# Altium PCB kunpeng_alpha.PcbDoc (part 1 of 2) (continued)
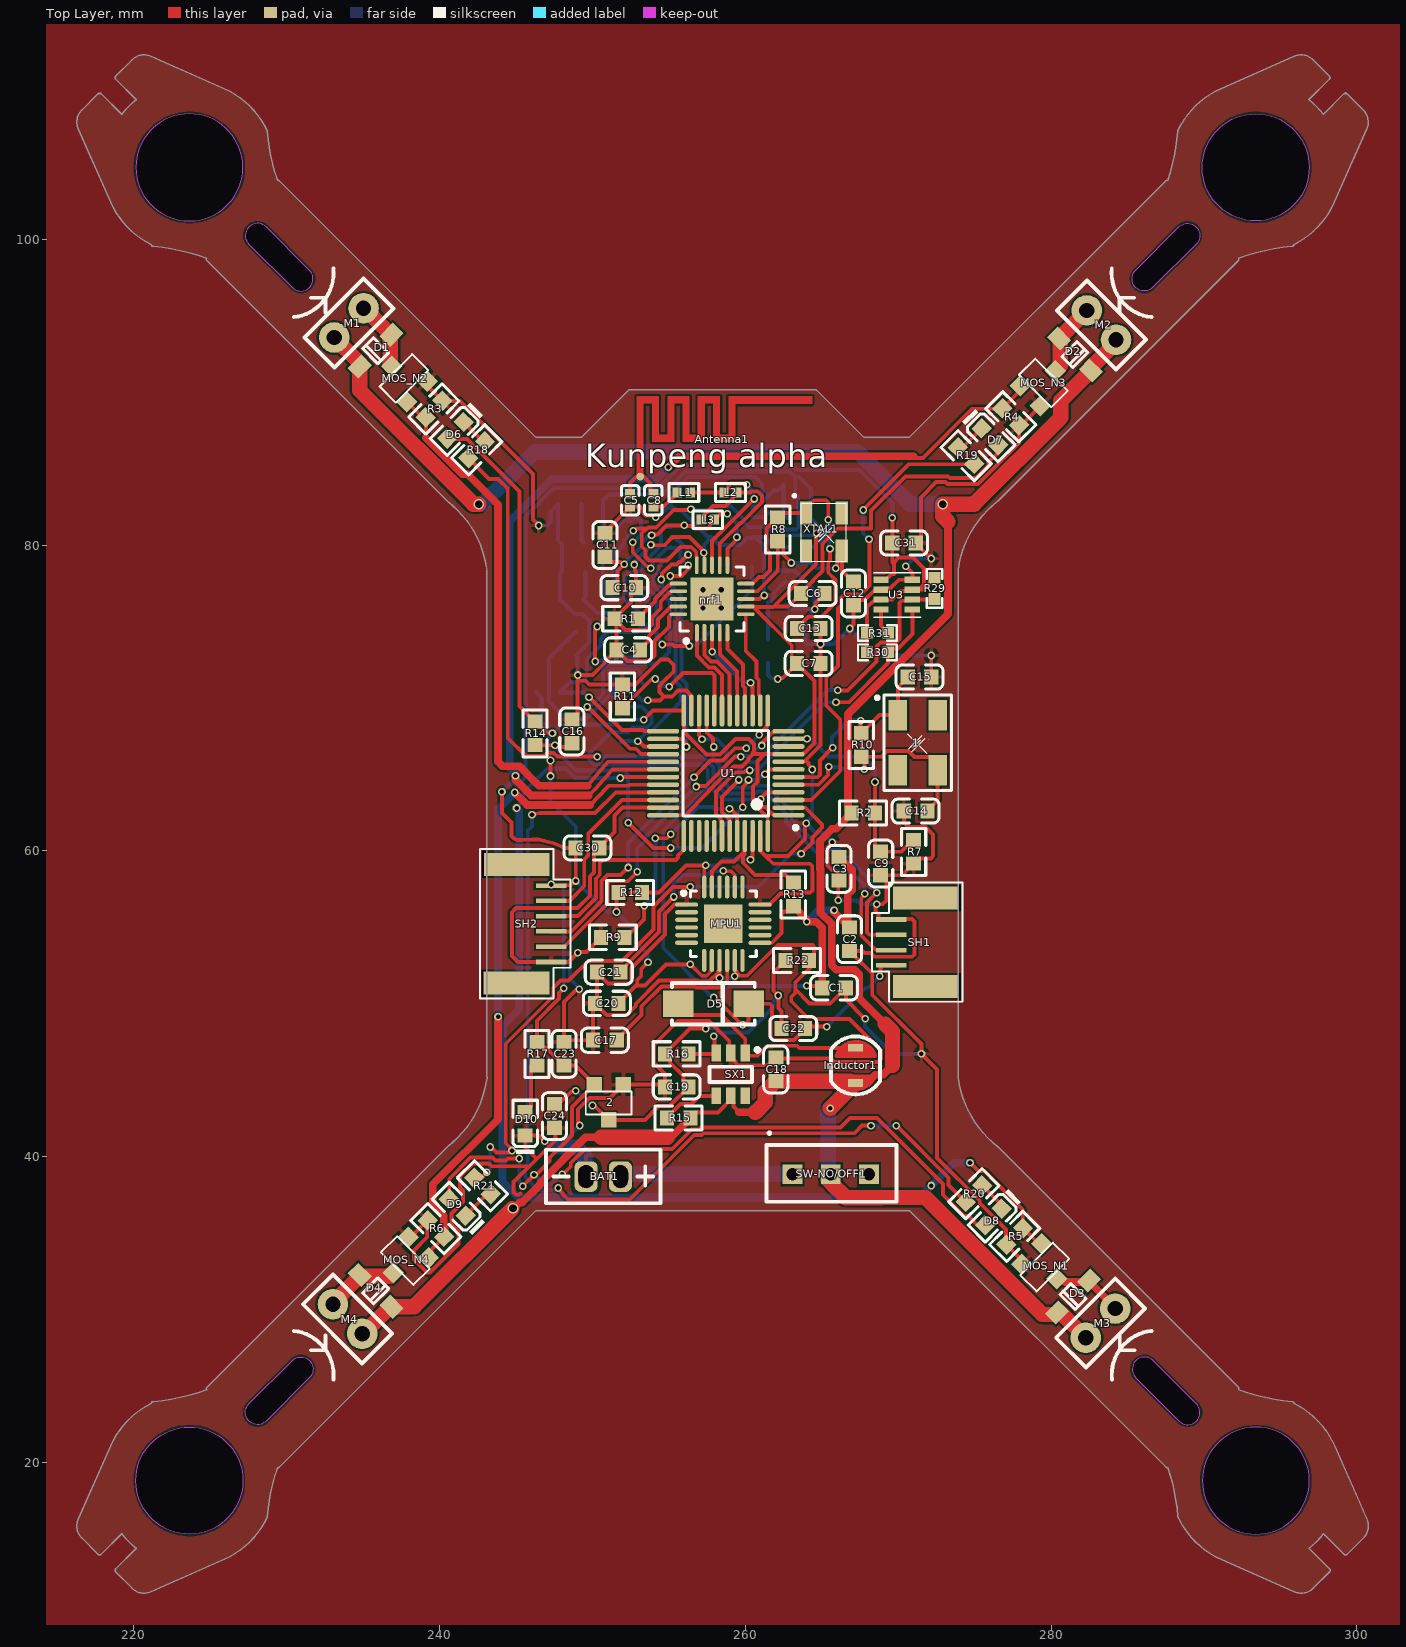
[diagram p0: Top Layer view]
## Components (designator, comment, footprint, x,y, rotation, side; value= is the part's Value field where it differs from the comment)
1 "5032-8MHZ" 5032-8MHZ 271.653,67.31 r270 top
2 "662K-3.3V(SOT-23-3)" SOT-23-3 251.46,43.815 r180 top
Antenna1 "Antenna" Antenna 255.397,86.106 r0 top
BAT1 "BAT" BAT 250.571,38.608 r180 top
C1 "1uF (105) 10% 50V" 0603_C 265.811,51.054 r180 top
C2 "100nF (104) 10% 50V" 0603_C 266.827,54.229 r90 top
C3 "10nF (103) 10% 50V" 0603_C 266.134,58.832 r90 top
C4 "33nF (333) 10% 50V" 0603_C 252.349,73.152 r180 top
C5 "1.5pF (1R5) 0.25pF 50V" 0402_C 252.476,82.931 r270 top
C6 "10uF (106) 10% 10V" 0603_C 264.414,76.835 r180 top
C7 "1nF (102) 10% 50V" 0603_C 264.152,72.263 r180 top
C8 "1.5pF (1R5) 0.25pF 50V" 0402_C 254,82.931 r90 top
C9 "100nF (104) 10% 50V" 0603_C 268.859,59.182 r90 top
C10 "2.2nF (222) 10% 50V" 0603_C 252.095,77.216 r180 top
C11 "4.7pF (4R7) 0.25pF 50V" 0603_C 250.825,80.01 r270 top
C12 "22pF (220) 5% 50V" 0603_C 267.081,76.835 r90 top
C13 "22pF (220) 5% 50V" 0603_C 264.152,74.549 r180 top
C14 "22pF (220) 5% 50V" 0603_C 271.145,62.611 r0 top
C15 "22pF (220) 5% 50V" 0603_C 271.399,71.374 r180 top
C16 "10uF (106) 10% 10V" 0603_C 248.666,67.818 r270 top
C17 "100nF (104) 10% 50V" 0603_C 250.825,47.625 r180 top
C18 "22uF (226) 20% 6.3V" 0603_C 262.001,45.72 r270 top
C19 "22uF (226) 20% 6.3V" 0603_C 255.524,44.577 r0 top
C20 "100nF (104) 10% 50V" 0603_C 250.952,50.038 r0 top
C21 "2.2nF (222) 10% 50V" 0603_C 251.079,52.07 r0 top
C22 "15pF (150) 5% 50V" 0603_C 263.144,48.387 r0 top
C23 "100nF (104) 10% 50V" 0603_C 248.158,46.736 r270 top
C24 "100nF (104) 10% 50V" 0603_C 247.523,42.672 r90 top
C25 "Cap" Cap 248.539,82.677 r0 bottom
C26 "Cap" Cap 248.666,80.137 r0 bottom
C27 "Cap" Cap 263.652,79.883 r180 bottom
C28 "Cap" Cap 263.271,83.947 r180 bottom
C29 "Cap" Cap 263.525,81.788 r180 bottom
C30 "104" 0603_C 249.682,60.198 r180 top
C31 "104" 0603_C 270.383,80.137 r180 top
C32 "Cap" Cap 248.92,73.533 r90 bottom
C33 "Cap" Cap 248.793,78.232 r0 bottom
C34 "Cap" Cap 248.666,76.454 r0 bottom
D1 "B5819W  SL" SOD-123 235.839,92.71 r45 top
D2 "B5819W  SL" SOD-123 281.559,92.456 r135 top
D3 "B5819W  SL" SOD-123 281.432,30.861 r45 top
D4 "B5819W  SL" SOD-123 235.839,31.242 r135 top
D5 "SMA/DO-214" SMA/DO-214 258.318,49.911 r0 top
D6 "红灯 0603" 0603_LED_S1 241.046,87.503 r225 top
D7 "绿灯 0603" 0603_LED_S1 276.007,87.086 r315 top
D8 "蓝灯 0603" 0603_LED_S1 276.225,36.068 r225 top
D9 "黄灯 0603" 0603_LED_S1 241.173,36.703 r135 top
D10 "红灯 0603" 0603_LED_S1 245.618,42.164 r90 top
Inductor1 "Inductor" CD32 267.208,45.974 r180 top
L1 "3.9nH 3%" 0402_L 255.988,83.439 r180 top
L2 "6.8nH 5%" 0402_L 259.036,83.439 r0 top
L3 "3.3nH 0.3nH" 0402_L 257.556,81.661 r180 top
LED1 "LED" LED-0603 261.798,77.072 r90 bottom
M1 "MOTO" MOTO 234.061,94.869 r45 top
M2 "MOTO" MOTO 282.956,94.361 r135 top
M3 "MOTO" MOTO 283.21,29.464 r45 top
M4 "MOTO" MOTO 233.658,29.37 r135 top
MOS_N1 "MOS_N" SOT-23-3 279.654,33.274 r225 top
MOS_N2 "MOS_N" SOT-23-3 237.617,90.424 r45 top
MOS_N3 "MOS_N" SOT-23-3 279.019,90.678 r315 top
MOS_N4 "MOS_N" SOT-23-3 238.252,33.147 r135 top
MPU1 "MPU6050" QFN24_4X4 259.004,55.448 r0 top
nrf1 "nrf24l01" QFN20_4X4 258.572,77.089 r90 top
R1 "22KΩ (2202) ±1%" 0603_R 252.222,75.184 r180 top
R2 "100KΩ (1003) ±1%" 0603_R 267.716,62.484 r180 top
R3 "10KΩ (1002) ±1%" 0603_R 239.649,88.9 r225 top
R4 "10KΩ (1002) ±1%" 0603_R 277.368,88.392 r135 top
R5 "10KΩ (1002) ±1%" 0603_R 277.622,34.798 r45 top
R6 "10KΩ (1002) ±1%" 0603_R 239.776,35.306 r315 top
R7 "100KΩ (1003) ±1%" 0603_R 271.018,59.944 r90 top
R8 "1MΩ (1004) ±1%" 0603_R 262.128,81.026 r90 top
R9 "10KΩ (1002) ±1%" 0603_R 251.341,54.356 r180 top
R10 "1MΩ (1004) ±1%" 0603_R 267.589,66.929 r270 top
R11 "10KΩ (1002) ±1%" 0603_R 251.968,70.104 r90 top
R12 "3.3KΩ (3301) ±1%" 0603_R 252.484,57.277 r180 top
R13 "3.3KΩ (3301) ±1%" 0603_R 263.144,57.15 r270 top
R14 "10KΩ (1002) ±1%" 0603_R 246.253,67.691 r90 top
R15 "100KΩ (1003) ±1%" 0603_R 255.651,42.545 r180 top
R16 "73.2KΩ (7502) ±1%" 0603_R 255.524,46.736 r180 top
R17 "330Ω (3300) ±1%" 0603_R 246.38,46.736 r90 top
R18 "330Ω (3300) ±1%" 0603_R 242.443,86.233 r45 top
R19 "330Ω (3300) ±1%" 0603_R 274.447,85.852 r135 top
R20 "330Ω (3300) ±1%" 0603_R 274.955,37.592 r45 top
R21 "330Ω (3300) ±1%" 0603_R 242.824,38.1 r315 top
R22 "10KΩ (1002) ±1%" 0603_R 263.398,52.832 r180 top
R23 "4.7K" RES-0603 261.493,73.025 r90 bottom
R24 "4.7K" RES-0603 247.142,70.358 r180 bottom
R25 "4.7K" RES-0603 251.841,67.818 r90 bottom
R26 "4.7K" RES-0603 251.714,80.518 r270 bottom
R27 "3" RES-0603 252.349,75.565 r180 bottom
R28 "4.7K" RES-0603 252.222,77.47 r180 bottom
R29 "2.2K" 0603R 272.288,77.089 r90 top
R30 "2.2K" 0603R 268.732,72.898 r180 top
R31 "10K" 0603R 268.732,74.168 r180 top
SH1 "SH1.0mm-4PIN" SH1.0mm-4PIN 271.272,54.102 r180 top
SH2 "SH1.0mm-6PIN" SH1.0mm-6PIN 247.812,56.737 r0 top
SW-NO/OFF1 "SW-NO/OFF" SW-NO/OFF-PIN3 265.644,38.736 r0 top
SX1 "SX1308" SX1308 258.572,45.339 r90 top
U1 "STM32F103C8T6" STM32F103C8T6 258.826,66.167 r180 top
U2 "PMW3901MB-TXQT" COB-28_L6.0-W6.0-P0.65-TL-EP 257.81,80.518 r180 bottom
U3 "SPL06_001" FBM320 270.002,76.708 r180 top
U4 "ME6214C18M5G" SOT-23-5_L3.0-W1.7-P0.95-LS2.8-BR 252.349,72.263 r270 bottom
XTAL1 "Crystal Oscillator 3225" "Crystal Oscillator 3225" 265.811,81.28 r90 top

## Footprints (in the part's own frame and the unit in brackets; to place one, negate y for a bottom-side part, rotate by r counter-clockwise, add the part's x,y. Pads: shape width x height; smd on the part's side, far side on the other; paste and mask are expansions set on the pad)
0402_C [mm]
  rect 0.6x0.65 smd mask+0.051: 1(-0.425,0) 2(0.425,0)
  silkscreen extent -0.97,-0.58 0.97,0.58, body extent -0.48,-0.3 0.52,0.3, height 0.2
0402_L [mm]
  rect 0.6x0.65 smd mask+0.051: 1(-0.425,0) 2(0.425,0)
  silkscreen extent -0.97,-0.58 0.97,0.58, body extent -0.51,-0.26 0.54,0.26, height 0.36
0603_C [mm]
  rect 0.93x0.98 smd: 1(-0.77,0) 2(0.77,0)
  silkscreen extent -1.53,-0.79 1.54,0.79, body extent -0.8,-0.4 0.8,0.4, height 0.3
0603_LED_S1 [mm]
  rect 0.93x0.98 smd: A(0.77,0) K(-0.77,0)
  silkscreen extent -1.98,-0.79 1.54,0.79, body extent -0.8,-0.4 0.8,0.4, height 0.6
0603_R [mm]
  rect 0.93x0.98 smd: 1(-0.77,0) 2(0.77,0)
  silkscreen extent -1.53,-0.79 1.54,0.79, body extent -0.85,-0.4 0.85,0.4, height 0.56
0603R [mil]
  rect 30x30 smd: 1(30.23,-3.63) 2(-24.27,-3.56)
  silkscreen extent -47,-24 53,16, body extent -28,-20 34,12, height 18
5032-8MHZ [mm]
  rect 2x1.2 smd: 1(-1.568,-1.667) 2(2.032,-1.667) 3(2.032,0.933) 4(-1.568,0.933)
  silkscreen extent -2.9,-3.11 3.35,1.83, body extent -2.37,-2.08 2.83,1.32, height 1
Antenna [mm]
  round 0.5 smd: 1(-2.261,-1.626)
  Top Layer region: -2.489,-1.626 -2.032,-1.626 -2.032,3.632 -2.489,3.632
  Top Layer region: -2.489,3.15 -1.067,3.15 -1.067,3.632 -2.489,3.632
  Top Layer region: -1.499,0.635 -1.041,0.635 -1.041,3.632 -1.499,3.632
  Top Layer region: -1.499,0.635 -0.025,0.635 -0.025,1.121 -1.499,1.121
  Top Layer region: -0.483,0.635 -0.025,0.635 -0.025,3.628 -0.483,3.628
  Top Layer region: 0.508,0.635 0.965,0.635 0.965,3.632 0.508,3.632
  Top Layer region: 1.499,0.635 1.981,0.635 1.981,3.632 1.499,3.632
  Top Layer region: 2.515,0.635 2.972,0.635 2.972,3.632 2.515,3.632
  Top Layer region: 3.505,0.635 3.962,0.635 3.962,3.632 3.505,3.632
  Top Layer region: -0.483,3.15 0.965,3.15 0.965,3.632 -0.483,3.632
  Top Layer region: 0.508,0.635 1.93,0.635 1.93,1.118 0.508,1.118
  Top Layer region: 1.524,3.15 2.946,3.15 2.946,3.632 1.524,3.632
  Top Layer region: 2.515,0.635 3.937,0.635 3.937,1.118 2.515,1.118
  Top Layer region: 3.505,3.124 8.992,3.124 8.992,3.632 3.505,3.632
BAT [mm]
  rrect50% 1.5x2 hole 1 slot 1.5 at 90 deg: 1(-1.27,-0.102) 2(0.976,-0.102)
  silkscreen extent -3.9,-1.85 3.6,1.65
Cap [mm]
  rect 0.93x0.98 smd: 1(-0.77,-0.025) 2(0.77,-0.025)
  silkscreen extent -1.53,-0.82 1.54,0.76, body extent -0.8,-0.43 0.8,0.37, height 0.3
CD32 [mm]
  rect 1x0.5 smd: 1(0,1.15) 2(0,-1.15)
  Top Layer region: -1.295,0.61 -1.254,0.745 -1.116,0.992 -0.929,1.205 -0.702,1.373 -0.444,1.49 -0.167,1.55 0.116,1.55 0.393,1.49 0.651,1.373 0.878,1.205 1.065,0.992 1.203,0.745 1.245,0.61 1.245,0.61
  Top Layer region: -1.295,-0.61 -1.254,-0.745 -1.116,-0.992 -0.929,-1.205 -0.702,-1.373 -0.444,-1.49 -0.167,-1.55 0.116,-1.55 0.393,-1.49 0.651,-1.373 0.878,-1.205 1.065,-0.992 1.203,-0.745 1.245,-0.61 1.245,-0.61
  Top Layer lines w0.254: 1.033,1.024 cw(c-0.025,0.222) 1.245,0.61 ; 1.026,0.828 1.245,0.61 ; 0.911,0.808 ccw(c-0.236,-0.062) 0.707,1.025 ccw(c-0.236,-0.062) 0.374,1.242 ; 0,1.549 ccw(c-0.025,0.222) -1.295,0.61 ; 1.245,0.61 1.245,0.61 ; 1.245,-0.61 cw(c-0.025,-0.222) 0.924,-1.15 cw(c-0.025,-0.222) -1.177,-0.883 cw(c-0.025,-0.222) -1.295,-0.61 -0.356,-0.61 1.245,-0.61
  Top Layer lines w0.5: 0,1.15 -0.755,1.15
  silkscreen extent -1.62,-1.9 1.61,1.9, body extent -1.5,-1.65 1.5,1.65, height 2.1
COB-28_L6.0-W6.0-P0.65-TL-EP [mm]
  rect 0.7x0.35 smd paste+0 mask+0.051: 1(-2.65,1.95) 2(-2.65,1.3) 3(-2.65,0.65) 4(-2.65,0) 5(-2.65,-0.65) 6(-2.65,-1.3) 7(-2.65,-1.95) 15(2.65,-1.95) 16(2.65,-1.3) 17(2.65,-0.65) 18(2.65,0) 19(2.65,0.65) 20(2.65,1.3) 21(2.65,1.95)
  rect 0.35x0.7 smd paste+0 mask+0.051: 8(-1.95,-2.65) 9(-1.3,-2.65) 10(-0.65,-2.65) 11(0,-2.65) 12(0.65,-2.65) 13(1.3,-2.65) 14(1.95,-2.65) 22(1.95,2.65) 23(1.3,2.65) 24(0.65,2.65) 25(0,2.65) 26(-0.65,2.65) 27(-1.3,2.65) 28(-1.95,2.65)
  rect 2.4x1.9 smd paste+0 mask+0.051: 29(0,0)
  silkscreen extent -3.33,-3 3,3
"Crystal Oscillator 3225" [mm]
  rect 1.5x0.8 smd: 1(0.813,1.829) 2(-1.676,1.829) 3(-1.676,-0.508) 4(0.813,-0.508)
  silkscreen extent -2.33,-0.81 2.01,2.65, body extent -2.06,-0.59 1.14,1.91, height 0.61
FBM320 [mm]
  rect 1x0.4 smd: 1(-0.931,-1.025) 2(-0.931,-0.375) 3(-0.931,0.275) 4(-0.931,0.925) 5(1.119,0.925) 6(1.119,0.275) 7(1.119,-0.375) 8(1.119,-1.025)
  round 0.6 on Top Overlay: 8(-0.943,-1.765)
  silkscreen extent -1.46,-1.49 1.58,1.43
LED-0603 [mm]
  rect 0.93x0.98 smd: 1(0.541,0.838) 2(-0.999,0.838)
  silkscreen extent -2.2,0.05 1.31,1.63, body extent -1.03,0.44 0.57,1.24, height 0.6
MOTO [mm]
  round 2 hole 1: 1(-1.575,-0.254) 2(1.129,-0.262)
  silkscreen extent -2.95,-1.65 2.51,1.12
QFN20_4X4 [mil]
  oval 45x9.84 smd: 1(-111,68) 2(-110.74,48.68) 3(-110.74,29) 4(-110.74,9.32) 5(-110.74,-10.37) 11(62.74,-10.37) 12(62.74,9.32) 13(62.74,29) 14(62.74,48.68) 15(62.74,68.37)
  oval 9.84x45 smd: 6(-63.37,-57.74) 7(-43.68,-57.74) 8(-24,-57.74) 9(-4.32,-57.74) 10(15.37,-57.74) 16(15.37,115.74) 17(-4.32,115.74) 18(-24,115.74) 19(-43.68,115.74) 20(-63.37,115.74)
  rect 110.24x110.24 smd: 21(-24,29)
  silkscreen extent -137,-54 59,112, body extent -103,-50 55,108, height 31
QFN24_4X4 [mm]
  oval 1.5x0.28 smd: 1(-2.832,1.047) 2(-2.832,0.547) 3(-2.832,0.047) 4(-2.832,-0.453) 5(-2.832,-0.953) 6(-2.832,-1.453) 13(1.968,-1.453) 14(1.968,-0.953) 15(1.968,-0.453) 16(1.968,0.047) 17(1.968,0.547) 18(1.968,1.047)
  oval 0.28x1.5 smd: 7(-1.682,-2.603) 8(-1.182,-2.603) 9(-0.682,-2.603) 10(-0.182,-2.603) 11(0.318,-2.603) 12(0.818,-2.603) 19(0.818,2.197) 20(0.318,2.197) 21(-0.182,2.197) 22(-0.682,2.197) 23(-1.182,2.197) 24(-1.682,2.197)
  rect 2.5x2.5 smd: 25(-0.432,-0.203)
  silkscreen extent -3.16,-2.35 1.72,1.95, body extent -2.44,-2.21 1.57,1.8, height 0.9
RES-0603 [mm]
  rect 0.93x0.98 smd: 1(-0.745,0) 2(0.795,0)
  silkscreen extent -1.51,-0.79 1.56,0.79, body extent -0.82,-0.4 0.88,0.4, height 0.56
SH1.0mm-4PIN [mm]
  rect 2x0.3 smd: 1(1.71,1.584) 2(1.71,0.584) 3(1.71,-0.416) 4(1.71,-1.416)
  rect 4.3x1.5 smd: 8(-0.533,2.972) 8(-0.533,-2.819)
  silkscreen extent -2.95,-3.84 2.98,3.96
SH1.0mm-6PIN [mm]
  rect 2x0.3 smd: 1(-0.5,1) 2(-0.5,0) 3(-0.5,-1) 4(-0.5,-2) 5(-0.5,-3) 6(-0.5,-4)
  rect 4.3x1.5 smd: 8(-2.769,-5.385) 8(-2.743,2.388)
  silkscreen extent -5.16,-6.38 0.77,3.38, body extent -4.95,-5.5 -2.05,2.5, height 4.25
SMA/DO-214 [mm]
  rect 2x1.75 smd: 1(-2.692,0.102) 2(1.908,0.102)
  silkscreen extent -3.09,-1.25 2.31,1.45, body extent -2.7,-1.27 1.91,1.43, height 2.4
SOD-123 [mm]
  rect 1.25x1 smd: 1(1.475,0) 2(-1.475,0)
  silkscreen extent -0.5,-0.7 0.5,0.7, body extent -1.85,-0.77 1.85,0.78, height 1.35
SOT-23-3 [mm]
  rect 1x1 smd: 1(-0.559,-0.914) 2(1.321,-0.914) 3(0.381,1.397)
  silkscreen extent -1.11,-0.46 1.89,1.04, body extent -1.12,-1.15 1.78,1.65, height 1.2
SOT-23-5_L3.0-W1.7-P0.95-LS2.8-BR [mm]
  rect 1x0.6 smd: 1(1.3,-0.95) 2(1.3,0) 3(1.3,0.95) 4(-1.3,0.95) 5(-1.3,-0.95)
  silkscreen extent -0.9,-1.78 1.65,1.55
STM32F103C8T6 [mm]
  oval 2.1x0.3 smd: 1(-4.008,3.836) 2(-4.008,3.336) 3(-4.008,2.836) 4(-4.008,2.336) 5(-4.008,1.836) 6(-4.008,1.336) 7(-4.008,0.836) 8(-4.008,0.336) 9(-4.008,-0.164) 10(-4.008,-0.664) 11(-4.008,-1.164) 12(-4.008,-1.664) 25(4.192,-1.664) 26(4.192,-1.164) 27(4.192,-0.664) 28(4.192,-0.164) 29(4.192,0.336) 30(4.192,0.836) 31(4.192,1.336) 32(4.192,1.836) 33(4.192,2.336) 34(4.192,2.836) 35(4.192,3.336) 36(4.192,3.836)
  oval 0.3x2.1 smd: 13(-2.658,-3.014) 14(-2.158,-3.014) 15(-1.658,-3.014) 16(-1.158,-3.014) 17(-0.658,-3.014) 18(-0.158,-3.014) 19(0.342,-3.014) 20(0.842,-3.014) 21(1.342,-3.014) 22(1.842,-3.014) 23(2.342,-3.014) 24(2.842,-3.014) 37(2.842,5.186) 38(2.342,5.186) 39(1.842,5.186) 40(1.342,5.186) 41(0.842,5.186) 42(0.342,5.186) 43(-0.158,5.186) 44(-0.658,5.186) 45(-1.158,5.186) 46(-1.658,5.186) 47(-2.158,5.186) 48(-2.658,5.186)
  silkscreen extent -4.6,-1.71 2.89,4.77, body extent -4.41,-3.41 4.59,5.59, height 1.45
SW-NO/OFF-PIN3 [mm]
  rect 1.3x1.3 hole 0.8: 1(-2.547,0.126) 2(-0.047,0.126) 3(2.453,0.126)
  silkscreen extent -4.26,-1.67 4.24,2.87, body extent -5.39,-2.67 5.61,2.92, height 4.32
SX1308 [mm]
  rect 1.1x0.6 smd: 1(1.451,-1.433) 2(1.451,-0.483) 3(1.451,0.467) 4(-1.349,0.467) 5(-1.349,-0.483) 6(-1.349,-1.433)
  silkscreen extent -0.45,-2.36 1.78,0.92, body extent -1.16,-1.93 1.24,0.97, height 1

## Part data
C1: library part "0603 1uF (105) 10% 50V", "贴片电容", Package=0603, SuppliersPartNumber=C15849, ComponentLink1Description=供应商链接, ComponentLink1URL=http://www.szlcsc.com/product/details_16531.html, Supplier=LC
C2 C9 C17 C20 C23 C24: library part "0603 100nF (104) 10% 50V", "贴片电容", Package=0603, SuppliersPartNumber=C14663, ComponentLink1Description=供应商链接, ComponentLink1URL=http://www.szlcsc.com/product/details_15331.html, Supplier=LC
C3: library part "0603 10nF (103) 10% 50V", "贴片电容", Package=0603, SuppliersPartNumber=C57112, ComponentLink1Description=供应商链接, ComponentLink1URL=http://www.szlcsc.com/product/details_58143.html, Supplier=LC
C4: library part "0603 33nF (333) 10% 50V", "贴片电容", Package=0603, SuppliersPartNumber=C21117, ComponentLink1Description=供应商链接, ComponentLink1URL=http://www.szlcsc.com/product/details_21829.html, Supplier=LC
C5 C8: library part "0402 1.5pF (1R5) 0.25pF 50V", "贴片电容", Package=0402, SuppliersPartNumber=C1552, ComponentLink1Description=供应商链接, ComponentLink1URL=http://www.szlcsc.com/product/details_1904.html, Supplier=LC
C6 C16: library part "0603 10uF (106) 10% 10V", "贴片电容", Package=0603, SuppliersPartNumber=C19702, ComponentLink1Description=供应商链接, ComponentLink1URL=http://www.szlcsc.com/product/details_20411.html, Supplier=LC
C7: library part "0603 1nF (102) 10% 50V", "贴片电容", Package=0603, SuppliersPartNumber=C1588, ComponentLink1Description=供应商链接, ComponentLink1URL=http://www.szlcsc.com/product/details_1940.html, Supplier=LC
C10 C21: library part "0603 2.2nF (222) 10% 50V", "贴片电容", Package=0603, SuppliersPartNumber=C1604, ComponentLink1Description=供应商链接, ComponentLink1URL=http://www.szlcsc.com/product/details_1956.html, Supplier=LC
C11: library part "0603 4.7pF (4R7) 0.25pF 50V", "贴片电容", Package=0603, SuppliersPartNumber=C1669, ComponentLink1Description=供应商链接, ComponentLink1URL=http://www.szlcsc.com/product/details_2021.html, Supplier=LC
C12 C13 C14 C15: library part "0603 22pF (220) 5% 50V", "贴片电容", Package=0603, SuppliersPartNumber=C1653, ComponentLink1Description=供应商链接, ComponentLink1URL=http://www.szlcsc.com/product/details_2005.html, Supplier=LC
C18 C19: library part "0603 22uF (226) 20% 6.3V", "贴片电容", Package=0603, SuppliersPartNumber=C59461, ComponentLink1Description=供应商链接, ComponentLink1URL=http://www.szlcsc.com/product/details_60514.html, Supplier=LC
C22: library part "0603 15pF (150) 5% 50V", "贴片电容", Package=0603, SuppliersPartNumber=C1644, ComponentLink1Description=供应商链接, ComponentLink1URL=http://www.szlcsc.com/product/details_1996.html, Supplier=LC
C30 C31: library part "Cap Chip 1206", "Cap_0603", Published=8-Jun-2000, Publisher="Altium Limited", Revision="July-2002: Re-released for DXP Platform."
D1 D2 D3 D4: library part "SOD-123 B5819W  SL", "肖特基二极管", Package=SOD-123, SuppliersPartNumber=C8598, ComponentLink1Description=供应商链接, ComponentLink1URL=http://www.szlcsc.com/product/details_9093.html, Supplier=LC
D6 D10: library part "0603 红灯", "发光二极管", Package=0603, SuppliersPartNumber=C2286, ComponentLink1Description=供应商链接, ComponentLink1URL=http://www.szlcsc.com/product/details_2659.html, Supplier=LC
D7: library part "0603 绿灯", "发光二极管", Package=0603, SuppliersPartNumber=C72043, ComponentLink1Description=供应商链接, ComponentLink1URL=http://www.szlcsc.com/product/details_73152.html, Supplier=LC
D8: library part "0603 蓝灯", "发光二极管", Package=0603, SuppliersPartNumber=C72041, ComponentLink1Description=供应商链接, ComponentLink1URL=http://www.szlcsc.com/product/details_73150.html, Supplier=LC
D9: library part "0603 黄灯", "发光二极管", Package=0603, SuppliersPartNumber=C72038, ComponentLink1Description=供应商链接, ComponentLink1URL=http://www.szlcsc.com/product/details_73147.html, Supplier=LC
L1: library part "0402 3.9nH 3%", "贴片电感", Package=0402, SuppliersPartNumber=C14033, ComponentLink1Description=供应商链接, ComponentLink1URL=http://www.szlcsc.com/product/details_14690.html, Supplier=LC
L2: library part "0402 6.8nH 5%", "贴片电感", Package=0402, SuppliersPartNumber=C32041, ComponentLink1Description=供应商链接, ComponentLink1URL=http://www.szlcsc.com/product/details_33003.html, Supplier=LC
L3: library part "0402 3.3nH 0.3nH", "贴片电感", Package=0402, SuppliersPartNumber=C27124, ComponentLink1Description=供应商链接, ComponentLink1URL=http://www.szlcsc.com/product/details_27873.html, Supplier=LC
MOS_N1 MOS_N2 MOS_N3 MOS_N4: library part MOS_N_(SOT-23-3)
MPU1: library part MPU6050(QFN24_4X4)
nrf1: library part QFN20-4X4
R1: library part "0603 22KΩ (2202) 1%", "贴片电阻", Package=0603, SuppliersPartNumber=C31850, ComponentLink1Description=供应商链接, ComponentLink1URL=http://www.szlcsc.com/product/details_32812.html, Supplier=LC
R2 R7 R15: library part "0603 100KΩ (1003) 1%", "贴片电阻", Package=0603, SuppliersPartNumber=C25803, ComponentLink1Description=供应商链接, ComponentLink1URL=http://www.szlcsc.com/product/details_26546.html, Supplier=LC
R3 R4 R5 R6 R9 R11 R14 R22: library part "0603 10KΩ (1002) 1%", "贴片电阻", Package=0603, SuppliersPartNumber=C25804, ComponentLink1Description=供应商链接, ComponentLink1URL=http://www.szlcsc.com/product/details_26547.html, Supplier=LC
R8 R10: library part "0603 1MΩ (1004) 1%", "贴片电阻", Package=0603, SuppliersPartNumber=C22935, ComponentLink1Description=供应商链接, ComponentLink1URL=http://www.szlcsc.com/product/details_23662.html, Supplier=LC
R12 R13: library part "0603 3.3KΩ (3301) 1%", "贴片电阻", Package=0603, SuppliersPartNumber=C22978, ComponentLink1Description=供应商链接, ComponentLink1URL=http://www.szlcsc.com/product/details_23705.html, Supplier=LC
R16: library part "0603 75KΩ (7502) 1%", "贴片电阻", Package=0603, SuppliersPartNumber=C23242, ComponentLink1Description=供应商链接, ComponentLink1URL=http://www.szlcsc.com/product/details_23969.html, Supplier=LC
R17 R18 R19 R20 R21: library part "0603 330Ω (3300) 1%", "贴片电阻", Package=0603, SuppliersPartNumber=C23138, ComponentLink1Description=供应商链接, ComponentLink1URL=http://www.szlcsc.com/product/details_23865.html, Supplier=LC
R23 R24 R25 R26 R27 R28: library part RES
R29 R30 R31: library part Res1, "Resistor-0603", LatestRevisionDate=17-Jul-2002, LatestRevisionNote="Re-released for DXP Platform.", PackageDescription="Axial Device, Thru-Hole; 2 Leads; 0.3 in Pin Spacing", PackageReference=AXIAL-0.3, Published=8-Jun-2000, Publisher="Altium Limited"
SW-NO/OFF1: library part SW-NO/OFF-PIN3
U2: JLCPCB Part Class="Extended Part", Manufacturer=null, Contributor=lcsc, Manufacturer Part=PMW3901MB-TXQT, spicePre=U, spiceSymbolName=PMW3901MB-TXQT, Supplier=LCSC, Supplier Part=C9900000235
U3: library part FBM320
U4: Dropout Voltage=600mV@(200mA), JLCPCB Part Class="Extended Part", LCSC Part Name="输入18V 输出1.8V 300mA", Manufacturer=MICRONE(南京微盟), Maximum Input Voltage=18V, Output Current=300mA, Output Voltage=1.8V, Power Supply Rejection Ratio (PSRR)=-, Add into BOM=yes, Convert to PCB=yes, Datasheet=https://atta.szlcsc.com/upload/public/pdf/source/20190628/C76500_8C40FD23FABB9ADD019D3F4B42283547.pdf, Device=ME6214C18M5G, Manufacturer Part=ME6214C18M5G, Name=ME6214C18M5G, Number of Outputs=1, Output Polarity=正, Output Type=固定, Supplier=LCSC, Supplier Footprint=SOT-23-5, Supplier Part=C236665, Symbol=ME6214C18M5G

## Via types
v1: diameter 0.5, hole 0.3, Top Layer to Bottom Layer, 146 vias
v2: diameter 0.66, hole 0.33, Top Layer to Bottom Layer, 4 vias
v3: diameter 0.7, hole 0.5, Top Layer to Bottom Layer, 3 vias

## Nets (pads, with @x,y where several pads share a name; then routed paths per layer and width w, separated by ;. In a path a pad name is that pad's centre, name@x,y a point inside that pad or via, vN(x,y) a via of type N, cw(c..) or ccw(c..) an arc to the next point about the centre after c; other vN are vias at no path point)
+1.8V: C33.2 C34.2 R27.2 U4.5 | length 12.2
  Top Layer w0.254: v1(250.19,72.39) 250.19,74.482 250.317,74.609 v1(250.317,74.676)
  Bottom Layer w0.254: C33.2@249.563,78.257 249.563,76.606 C34.2@249.436,76.479 249.436,76.454 250.325,75.565 R27.2@251.554,75.565 251.554,75.54 251.216,75.202 250.843,75.202 v1(250.317,74.676) ; v1(250.19,72.39) 250.237,72.437 250.71,72.437 250.913,72.641 252.959,72.641 253.126,72.808 253.126,73.39 U4.5@253.299,73.563
+3.3V: 2.2 C1.2 C2.2 C3.2 C6.2 C7.2 C20.2 C23.2 C30.2 C31.2 D6.A D7.A D8.A D9.A MPU1.8 MPU1.13 nrf1.7 nrf1.15 R12.2 R13.2 R14.2 R17.2 R23.1 R24.2 R25.2 R26.2 R28.2 R29.1 R30.1 R31.1 SH2.1 U1.1 U1.9 U1.24 U1.36 U1.48 U2.3 U3.2 U3.6 U3.8@268.883,77.733 | length 331.9
  Top Layer w0.254: D6.A@240.502,86.959 240.519,86.941 241.81,86.941 245.237,83.513 245.237,69.477 R14.2@246.253,68.461 246.278,68.461 247.001,67.738 247.349,67.738 v1(247.396,67.691) ; D9.A@240.629,37.247 240.646,37.265 240.646,38.562 242.036,39.952 243.484,39.952 243.669,39.766 244.353,39.766 244.476,39.889 v1(245.227,39.889) ; v1(244.094,63.881) 244.094,62.484 244.729,61.849 244.729,61.041 244.729,60.968 244.894,60.803 245.111,60.722 245.322,60.722 246.073,60.752 246.489,60.752 247.481,60.506 248.166,60.198 C30.2@248.912,60.198 248.92,60.19 v1(248.92,58.039) 248.853,58.039 248.574,57.76 SH2.1@247.322,57.76 ; v1(245.446,38.079) v1(246.189,38.822) ; v1@246.253,38.757 247.208,39.712 247.208,39.939 248.666,41.397 248.666,43.256 2.2@250.139,44.729 248.903,45.966 C23.2@248.158,45.966 248.133,45.966 246.931,47.168 R17.2@246.337,47.168 ; R17.2@246.38,47.506 246.38,48.895 247.826,50.341 247.826,50.703 v1(248.14,51.017) ; v1(247.269,64.897) v1(247.269,65.913) ; SH2.1@247.278,57.76 v1(247.322,57.804) ; v1(248.031,38.862) 248.089,38.862 248.593,39.366 248.593,39.594 249.521,40.523 255.233,40.523 256.513,41.803 256.991,41.803 257.108,41.92 266.235,41.92 266.857,42.541 268.609,42.541 272.925,38.225 272.925,37.519 274.324,36.12 274.606,36.12 275.203,35.524 D8.A@275.681,35.524 ; v1(251.587,56.007) 251.587,57.15 R12.2@251.714,57.277 ; C20.2@251.722,50.038 251.722,50.063 252.857,51.198 ; v1(252.69,80.927) 252.757,80.927 252.924,81.094 253.491,81.094 253.553,81.033 253.671,81.151 254.187,81.151 255.332,82.296 256.413,82.296 v1(256.453,82.336) ; v1(253.365,68.58) 253.966,69.181 U1.24@255.984,69.181 255.993,69.173 255.993,67.782 257.475,66.3 258.36,66.3 259.368,67.308 260.253,67.308 260.573,66.988 260.573,66.506 260.514,66.447 260.514,66.331 ; 253.487,81.033 253.487,81.021 253.238,80.772 253.238,79.913 253.487,79.664 253.487,79.23 253.723,78.994 254.893,78.994 255.777,79.877 256.473,79.877 256.8,79.551 256.8,79.294 256.833,79.26 nrf1.15@256.833,79.127 ; v1(253.648,52.728) 253.648,52.725 253.203,52.28 253.203,51.814 252.946,51.557 252.946,51.287 252.857,51.198 ; U1.36@254.634,62.331 256.065,62.331 257.644,63.91 257.644,63.946 259.223,65.525 259.783,65.525 260.217,65.959 260.217,66.034 260.514,66.331 ; MPU1.8@257.822,52.845 257.822,52.228 257.714,52.12 257.714,52.072 257.485,51.843 257.157,51.843 v1(256.417,52.582) 256.413,52.578 254.83,52.578 253.45,51.198 252.857,51.198 ; nrf1.7@260.039,75.979 260.604,75.979 260.632,75.952 261.837,75.951 261.864,75.979 ; 260.641,75.857 263.044,73.454 263.044,72.601 C7.2@263.382,72.263 C7.2@263.382,72.238 ; MPU1.13@260.972,53.995 260.977,54 261.743,54 262.382,54.639 262.382,55.88 262.544,56.042 262.806,56.042 R13.2@263.144,56.38 ; U1.48@261.484,60.981 261.475,60.99 261.475,62.185 260.937,62.722 260.78,62.879 ; v1(262.128,71.247) 262.175,71.294 262.438,71.294 C7.2@263.382,72.238 ; U1.1@262.834,62.331 261.921,62.331 261.824,62.429 261.767,62.429 261.317,62.879 260.78,62.879 ; v1(264.033,51.181) 265.041,51.181 265.287,51.181 C1.2@265.414,51.054 ; v1(264.668,80.772) 264.635,80.739 264.635,78.749 261.864,75.979 ; R30.1@267.964,72.99 R31.1@267.964,74.26 267.964,75.921 268.074,76.031 268.074,76.05 268.274,76.25 268.294,76.25 268.403,76.36 268.81,76.36 U3.6@268.883,76.433 269.618,76.433 270.195,77.01 270.86,77.01 U3.2@270.933,77.083 U3.2@271.34,77.083 ; U3.8@268.956,77.66 269.11,77.66 269.563,78.112 269.727,78.112 269.727,78.874 270.036,79.183 270.984,79.183 271.69,78.478 271.69,77.433 U3.2@271.34,77.083 ; 269.613,78.874 C31.2@269.613,80.137 269.621,80.145 v1(269.621,81.788) ; R29.1@272.38,77.857 271.606,77.083 U3.2@271.34,77.083 ; D7.A@276.552,86.541 276.552,86.063 275.919,85.43 275.919,85.221 275.078,84.38 273.379,84.38 273.265,84.494 270.473,84.494 268.236,82.256 268.236,81.09 266.054,81.09 265.049,80.085 265.049,79.972 265.041,79.964 265.041,79.548 265.049,79.54 265.049,78.307 264.44,77.699 264.44,77.656 263.644,76.86 C6.2@263.644,76.835 263.644,76.81 262.813,75.979 261.864,75.979 ; 260.514,66.331 261.276,66.331 ; 260.78,62.879 260.523,63.137 260.523,64.232 260.793,64.503 260.793,65.055 260.794,65.056 260.794,65.849 261.276,66.331 ; 261.276,66.331 U1.9@262.834,66.331 263.746,66.331 263.844,66.429 263.9,66.429 264.543,67.071 264.543,71.102 263.745,71.9 263.72,71.9 C7.2@263.382,72.238
  Top Layer w0.5: R13.2@263.144,56.38 263.169,56.38 264.033,55.516 v1(264.033,55.372) 264.638,55.372 265.041,54.969 265.041,51.181 C1.2@265.041,51.054 ; v1(265.811,56.134) 265.811,55.99 266.802,54.999 C2.2@266.827,54.999 266.713,55.113 266.713,57.155 266.999,57.441 266.999,58.761 266.159,59.602 C3.2@266.134,59.602
  Bottom Layer w0.254: v1(244.094,63.881) 244.617,64.404 245.191,64.404 245.629,64.842 245.629,81.875 247.471,83.717 254.278,83.717 254.387,83.826 254.424,83.826 255.801,85.203 263.068,85.203 263.351,84.92 267.457,84.92 269.621,82.756 v1(269.621,81.788) ; v1(245.227,39.889) 245.227,38.351 245.446,38.132 v1(245.446,38.079) ; v1(246.189,38.822) 246.246,38.822 246.829,38.238 247.342,38.238 247.965,38.862 v1(248.031,38.862) ; R24.2@246.347,70.358 246.685,70.02 246.685,68.402 v1(247.396,67.691) ; v1(247.269,64.897) 247.269,63.246 248.92,61.595 v1(248.92,58.039) 250.952,56.007 v1(251.587,56.007) 252.857,54.737 252.857,54.025 253.6,53.282 253.6,52.775 v1(253.648,52.728) ; v1(247.269,65.913) 247.222,65.96 247.222,66.535 247.062,66.694 247.062,67.357 v1(247.396,67.691) ; v1(247.322,57.804) 247.369,57.757 247.904,57.757 248.14,57.522 v1(248.14,51.017) ; R28.2@251.427,77.47 251.466,77.509 251.466,79.474 R26.2@251.714,79.723 251.739,79.723 252.077,80.061 252.077,80.314 v1(252.69,80.927) ; v1(253.365,68.58) 251.874,68.58 R25.2@251.841,68.613 251.503,68.275 247.98,68.275 v1(247.396,67.691) ; v1(256.417,52.582) 257.819,51.181 v1(264.033,51.181) ; v1(256.453,82.336) 256.492,82.296 257.751,82.296 258,82.544 259.058,82.544 259.84,81.762 259.84,81.556 260.005,81.391 260.062,81.391 260.285,81.168 U2.3@260.46,81.168 261.501,81.168 262.028,80.641 264.47,80.641 264.601,80.772 v1(264.668,80.772) ; R23.1@261.493,72.28 261.493,71.501 261.7,71.294 262.081,71.294 v1(262.128,71.247)
  Bottom Layer w0.5: v1(264.033,55.372) 264.795,56.134 v1(265.811,56.134)
+5V: 2.3 C19.2 C22.2 C24.2 C32.2 D5.2 R16.2 SH1.1 U4.1 U4.3 | length 87.2
  Top Layer w0.254: C24.2@247.777,43.442 247.802,43.442 248.636,44.276 ; v1(250.013,43.357) 250.06,43.31 250.187,43.31 2.3@251.079,42.418 253.442,42.418 254.34,43.316 255.058,43.316 256.294,44.552 C19.2@256.294,44.577 255.956,44.915 255.956,45.288 255.092,46.152 255.092,46.398 R16.2@254.754,46.736 ; R16.2@254.754,46.761 256.38,48.387 v1(257.429,48.387) ; v1(257.937,50.419) 257.998,50.419 259.781,48.635 v1(259.842,48.635) ; v1@259.842,48.514 260.226,48.898 D5.2@260.226,50.013 261.607,50.013 261.755,49.864 261.755,49.08 261.657,48.982 261.657,47.792 261.804,47.645 263.197,47.645 264.066,48.514 v1(265.343,48.514) ; v1(268.809,51.816) 268.856,51.863 268.856,52.321 269.03,52.495 270.047,52.495 SH1.1@270.07,52.518
  Bottom Layer w0.254: C32.2@248.895,74.303 248.87,74.303 247.169,72.603 247.169,69.763 248.265,68.668 249.643,68.668 251.399,70.424 ; v1(248.92,44.323) 248.957,44.323 249.385,43.895 249.475,43.895 v1(250.013,43.357) ; U4.3@251.399,70.963 251.399,70.424 ; U4.3@251.399,71.163 251.079,71.483 251.079,71.733 251.228,71.882 252.977,71.882 253.182,71.677 253.182,71.08 U4.1@253.299,70.963 ; v1(257.429,48.387) 257.476,48.434 257.973,48.434 258.175,48.635 v1(259.842,48.635) ; v1(257.937,50.419) 257.87,50.419 254.641,53.649 254.641,61.295 257.554,64.209 257.554,65.308 257.211,65.652 250.122,65.652 249.815,65.959 249.815,66.375 251.23,67.791 252.33,67.791 252.617,68.078 253.573,68.078 253.867,68.372 253.867,68.788 253.22,69.435 252.046,69.435 251.399,70.082 251.399,70.424 ; v1(265.343,48.514) 267.883,51.054 268.047,51.054 v1(268.809,51.816)
CE: nrf1.1 U1.19 | length 6
  Top Layer w0.254: nrf1.1@256.845,74.27 256.845,72.779 257.616,72.007 257.992,72.007 258.484,71.516 U1.19@258.484,69.181
CSN: nrf1.2 U1.18 | length 6
  Top Layer w0.254: nrf1.2@257.335,74.276 257.335,72.825 257.774,72.387 258.149,72.387 258.984,71.552 U1.18@258.984,69.181